# Altium PCB HMI_Board.PcbDoc (part 3 of 3)
Units mm, origin at the board's own origin, x right, y up, seen from the top; angles counter-clockwise.
Board outline 105 x 63 mm, 4 copper layers (L1, L2, L3, L4), stack 1.586 mm thick; 135 components, 123 nets, 623 pads, 296 vias.
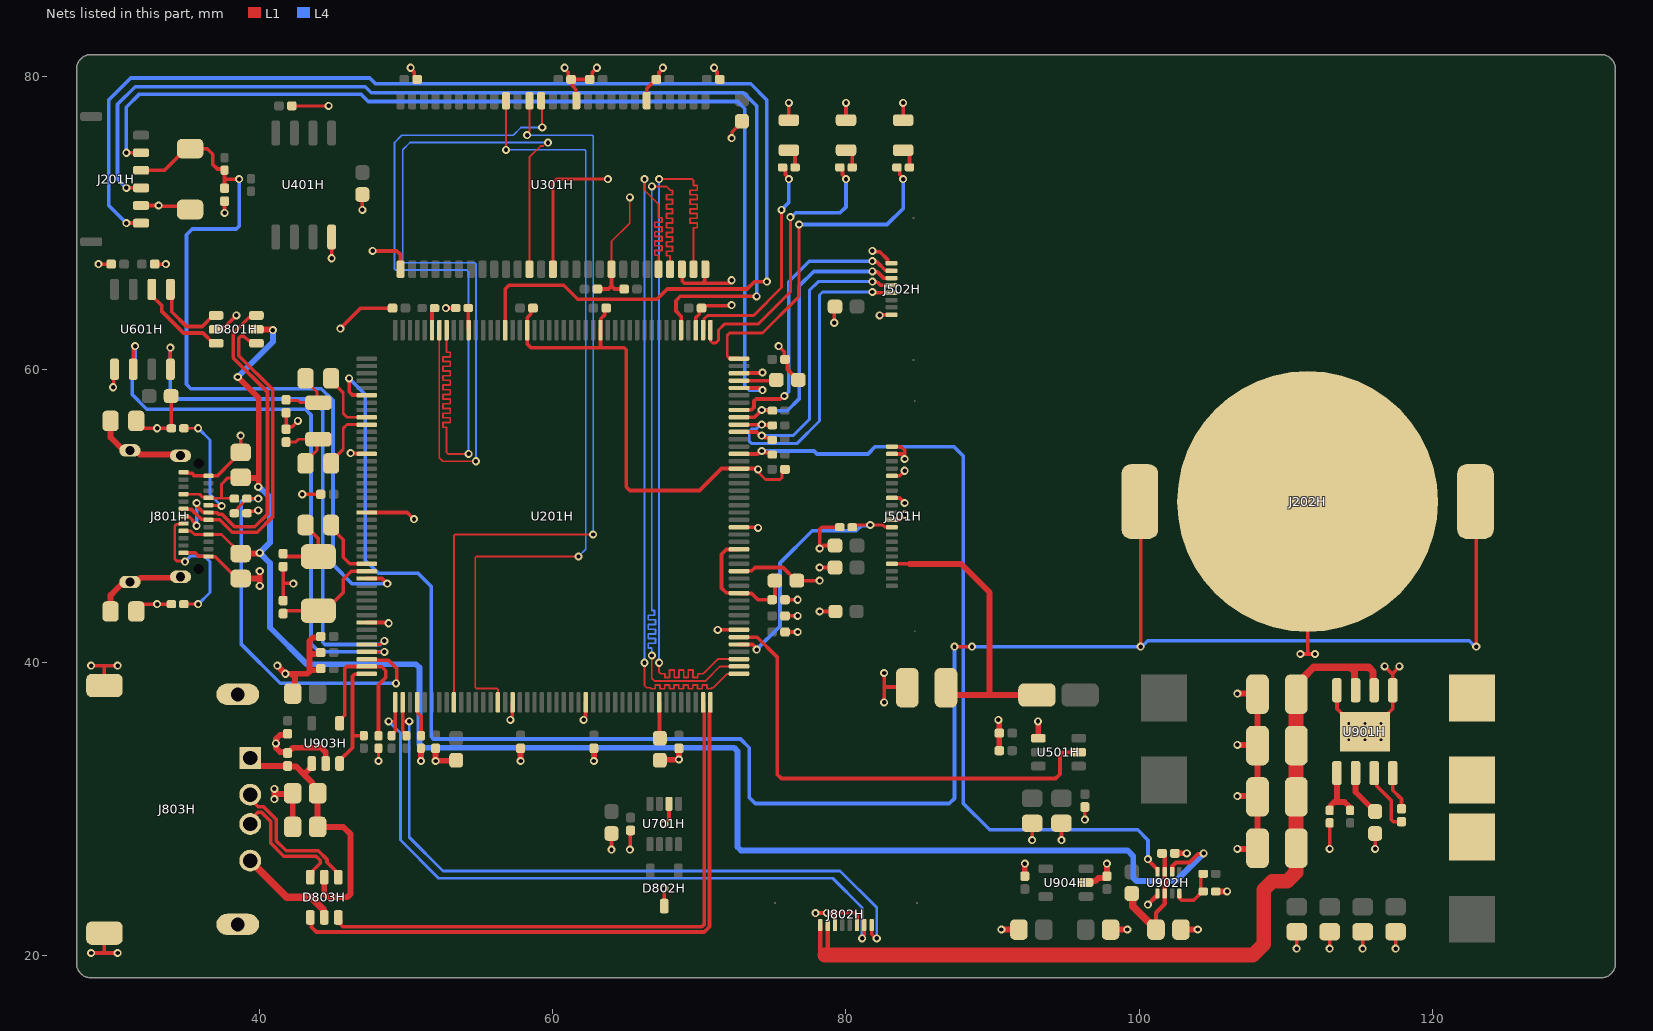
[diagram p5: the nets of this part, all layers, seen from the top]

## Via types
v1: diameter 0.55, hole 0.3, L1 to L4, tented both sides, 290 vias
v2: diameter 0.5, hole 0.2, L1 to L4, 6 vias

## Nets (pads, with @x,y where several pads share a name; then routed paths per layer and width w, separated by ;. In a path a pad name is that pad's centre, name@x,y a point inside that pad or via, vN(x,y) a via of type N, cw(c..) or ccw(c..) an arc to the next point about the centre after c; other vN are vias at no path point) (continued)
FMC_D13: U201H.89 U301H.50 | length 55.1
  L1 w0.12: v1(66.25,40) 66.25,38.45 66.4,38.3 66.41,38.3 66.671,38.3 66.671,38.235 66.991,38.235 66.991,38.485 67.311,38.485 67.311,38.235 67.631,38.235 67.631,38.485 67.951,38.485 67.951,38.235 68.271,38.235 68.271,38.485 68.591,38.485 68.591,38.235 68.911,38.235 68.911,38.485 69.231,38.485 69.231,38.235 69.551,38.235 69.551,38.485 69.871,38.485 69.871,38.235 70.191,38.235 70.191,38.485 70.511,38.485 70.511,38.235 70.831,38.235 70.831,38.3 70.891,38.3 70.95,38.3 71.89,39.24 72.69,39.24 U201H.89@72.7,39.25 ; v1(66.25,73) 66.25,72.25 67.2,71.3 67.2,70.53 67.2,70.37 67.45,70.37 67.45,70.05 66.95,70.05 66.95,69.73 67.45,69.73 67.45,69.41 66.95,69.41 66.95,69.09 67.45,69.09 67.45,68.77 66.95,68.77 66.95,68.45 67.45,68.45 67.45,68.13 66.95,68.13 66.95,67.81 67.2,67.81 67.2,67.75 U301H.50@67.2,66.85
  L4 w0.12: v1(66.25,40) 66.25,57.18 v1(66.25,73)
FMC_D14: U201H.90 U301H.51 | length 56.5
  L1 w0.12: v1(66.75,40.5) 66.75,38.95 66.95,38.75 70.4,38.75 71.4,39.75 U201H.90@72.7,39.75 ; v1(66.75,72.5) 67.75,72.5 67.945,72.305 68,72.25 68,72.245 68.17,72.245 68.17,71.925 67.75,71.925 67.75,71.605 68.17,71.605 68.17,71.285 67.75,71.285 67.75,70.965 68.17,70.965 68.17,70.645 67.75,70.645 67.75,70.325 68.17,70.325 68.17,70.005 67.75,70.005 67.75,69.685 68.17,69.685 68.17,69.365 67.75,69.365 67.75,69.045 68.17,69.045 68.17,68.725 67.75,68.725 67.75,68.405 68.17,68.405 68.17,68.085 67.75,68.085 67.75,67.765 68,67.765 68,67.7 U301H.51@68,66.85
  L4 w0.12: v1(66.75,40.5) 66.75,40.95 66.75,41.01 66.5,41.01 66.5,41.33 67,41.33 67,41.65 66.5,41.65 66.5,41.97 67,41.97 67,42.29 66.5,42.29 66.5,42.61 67,42.61 67,42.93 66.5,42.93 66.5,43.25 66.939,43.25 66.939,43.57 66.75,43.57 66.75,44 v1(66.75,72.5)
FMC_D15: U201H.91 U301H.53 | length 56
  L1 w0.12: v1(67.25,40) 67.25,39.35 67.35,39.25 67.5,39.25 67.642,39.25 67.642,39 67.962,39 67.962,39.5 68.282,39.5 68.282,39 68.602,39 68.602,39.5 68.922,39.5 68.922,39 69.242,39 69.242,39.5 69.562,39.5 69.562,39 69.882,39 69.882,39.25 69.942,39.25 70.25,39.25 71.25,40.25 U201H.91@72.7,40.25 ; v1(67.25,73) 69.5,73 69.6,72.9 69.6,72.625 69.6,72.565 69.85,72.565 69.85,72.245 69.35,72.245 69.35,71.925 69.85,71.925 69.85,71.605 69.35,71.605 69.35,71.285 69.85,71.285 69.85,70.965 69.35,70.965 69.35,70.645 69.85,70.645 69.85,70.325 69.35,70.325 69.35,70.005 69.85,70.005 69.85,69.685 69.6,69.685 69.6,69.575 U301H.53@69.6,66.85
  L4 w0.12: v1(67.25,40) 67.25,58.35 v1(67.25,73)
FMC_NBL0: U201H.169 U301H.15 | length 56.4
  L1 w0.12: U201H.169@52.75,62.7 52.75,61.25 52.75,61.19 53,61.19 53,60.87 52.5,60.87 52.5,60.55 53,60.55 53,60.23 52.5,60.23 52.5,59.91 53,59.91 53,59.59 52.5,59.59 52.5,59.27 53,59.27 53,58.95 52.5,58.95 52.5,58.63 53,58.63 53,58.31 52.5,58.31 52.5,57.99 53,57.99 53,57.67 52.5,57.67 52.5,57.35 53,57.35 53,57.03 52.5,57.03 52.5,56.71 53,56.71 53,56.39 52.5,56.39 52.5,56.07 52.75,56.07 52.75,55.75 52.75,54.35 52.85,54.25 v1(54.25,54.25) ; U301H.15@59.2,78.35 59.25,78.3 59.25,76.55 v1(59.275,76.525)
  L4 w0.12: v1(54.25,54.25) 54.25,66.65 54.1,66.8 49.27,66.8 49.2,66.87 49.2,75.5 49.7,76 57.3,76 57.825,76.525 v1(59.275,76.525)
FMC_NBL1: U201H.170 U301H.39 | length 56.9
  L1 w0.12: U201H.170@52.25,62.7 52.25,54 52.5,53.75 v1(54.75,53.75) ; U301H.39@58.4,66.85 58.4,74.5 59.161,75.261 59.326,75.261 59.55,75.485 v1(59.666,75.485)
  L4 w0.12: v1(54.75,53.75) 54.75,67.23 54.68,67.3 49.82,67.3 49.75,67.37 49.75,75 50.25,75.5 59.651,75.5 v1(59.666,75.485)
FMC_R\A\S\: U201H.59 U301H.18 | length 55.1
  L1 w0.12: U201H.59@56.25,37.3 56.25,38.18 56.18,38.25 54.77,38.25 54.7,38.32 54.7,42.75 54.7,47.18 54.77,47.25 v1(61.75,47.25) ; v1(56.8,75) U301H.18@56.8,78.35
  L4 w0.12: v1(56.8,75) 62.18,75 62.25,74.93 62.25,47.75 v1(61.75,47.25)
FMC_W\E\: U201H.53 U301H.16 | length 55
  L1 w0.12: U201H.53@53.25,37.3 53.25,38.4 53.25,48.68 53.32,48.75 v1(62.75,48.75) ; v1(58.25,76) 58.25,76.103 58.4,76.253 U301H.16@58.4,78.35
  L4 w0.12: v1(58.25,76) 62.68,76 62.75,75.93 v1(62.75,48.75)
GND: C201H.1 C202H.1 C203H.1 C204H.1 C205H.1 C206H.1 C207H.1 C208H.1 C209H.1 C210H.1 C211H.1 C212H.1 C213H.1 C214H.1 C215H.1 C216H.1 C217H.1 C218H.1 C219H.1 C220H.1 C221H.1 C222H.1 C223H.1 C224H.1 C225H.1 C226H.1 C301H.1 C302H.1 C303H.1 C304H.1 C305H.1 C306H.1 C307H.1 C308H.1 C401H.1 C402H.1 C501H.1 C502H.1 C503H.1 C504H.1 C505H.1 C506H.1 C507H.1 C508H.1 C509H.1 C601H.1 C602H.1 C603H.1 C701H.1 C702H.1 C902H.1 C903H.1 C904H.1 C905H.1 C906H.1 C907H.1 C908H.1 C909H.1 C910H.1 C911H.1 C912H.1 C913H.1 C914H.1 C915H.1 C916H.1 C917H.1 C918H.1 C919H.1 C920H.1 C921H.1 C922H.1 C923H.1 D201H.2 D202H.2 D203H.2 D801H.2 D802H.3 D803H.2 J201H.5 J202H.N J501H.10 J501H.13 J501H.16 J501H.19 J501H.20 J502H.1 J502H.8 J801H.A1 J801H.A12 J801H.B1 J801H.B12 J802H.3 J802H.6 J803H.4 J803H.S1 J803H.S2 J803H.S3 J803H.S4 R202H.2 R208H.1 R209H.1 R501H.1 R502H.1 R801H.1 R802H.1 R803H.1 R804H.1 R902H.1 R904H.1 R906H.1 S201H.2 U201H.14 U201H.22 U201H.37 U201H.61 U201H.71 U201H.95 U201H.103 U201H.109 U201H.117 U201H.130 U201H.135 U201H.148 U201H.158 U301H.6 U301H.12 U301H.28 U301H.41 U301H.46 U301H.52 U301H.54 U401H.4 U501H.4 U601H.1 U701H.2 U901H.1 U901H.4 U901H.9 U902H.1 U903H.2 U904H.2 | length 278.4
  L1 w0.12: U301H.46@64,66.85 64,68.75 65.25,70 v1(65.25,71.75)
  L1 w0.2: C401H.1@42.19,78 v1(44.7,78) ; v1(48.1,33.3) R906H.1@48.1,34.175 ; U301H.41@60,66.85 60,72.75 60.25,73 v1(63.75,73) ; v1@74,53.183 74.057,53.125 74.057,52.943 74.5,52.5 75.5,52.5 75.644,52.644 75.644,53.004 C220H.1@75.84,53.2
  L1 w0.25: v1(28.5,20.2) 29.4,20.2 ; v1(28.5,39.8) 29.4,39.8 ; v1(29,67.2) C602H.1@29.86,67.2 ; J803H.S4@29.4,21.55 29.4,20.2 ; J803H.S3@29.4,38.45 29.4,39.8 ; v1(30,58.8) 30.048,58.847 30.048,59.978 U601H.1@30.095,60.025 ; v1(30.3,20.2) 29.4,20.2 ; v1(30.3,39.8) 29.4,39.8 ; R801H.1@31.575,43.5 31.575,43.569 31.989,43.982 32.129,43.982 32.146,44 R804H.1@33.975,44 ; R802H.1@31.575,56.5 31.575,56.431 31.989,56.018 32.129,56.018 32.146,56 R803H.1@33.975,56 33.963,56.012 33.963,58.188 C603H.1@33.95,58.2 ; J201H.5@31.9,71.2 v1(33.1,71.2) 33.148,71.152 35.023,71.152 S201H.2@35.25,70.925 ; C601H.1@32.84,67.2 v1(33.6,67.2) ; J801H.B1@34.8,47.5 35.6,47.5 35.825,47.275 36.475,47.275 J801H.A12@36.5,47.25 36.518,47.232 36.968,47.232 38.083,46.117 38.333,46.117 C916H.1@38.7,45.75 ; J801H.B12@34.8,53 34.825,52.975 35.104,52.975 35.154,52.925 35.375,52.925 35.55,52.75 J801H.A1@36.5,52.75 37.1,52.75 38.233,53.883 38.233,53.888 38.695,54.35 C915H.1@38.7,54.35 v1(38.7,55.5) ; D801H.2@37.025,62.75 37.184,62.909 37.609,62.909 v1(38.4,63.7) ; v1(37.6,70.7) C205H.1@37.6,71.5 ; R208H.1@39.125,50.2 39.267,50.342 39.761,50.342 39.819,50.4 v1(39.9,50.4) ; C203H.1@41.6,44.24 41.6,45.434 ; C204H.1@41.6,46.56 41.6,45.434 ; C201H.1@41.8,57.06 C202H.1@41.8,55.94 41.97,56.11 42.21,56.11 v1(42.6,56.5) ; v1(42.3,45.4) 42.266,45.434 41.6,45.434 ; v1(42.9,51.5) C210H.1@44.16,51.5 ; v1(44.9,67.6) 44.903,67.603 44.903,69.047 U401H.4@44.905,69.05 ; v1(45.5,62.8) 46.9,64.2 C223H.1@49.06,64.2 ; v1(46.2,54.3) 46.225,54.275 47.275,54.275 U201H.14@47.3,54.25 ; v1(47,70.9) C402H.1@47,71.95 ; U201H.37@47.3,42.75 48.748,42.75 v1(48.8,42.698) ; U201H.22@47.3,50.25 50.056,50.25 50.506,49.8 v1(50.525,49.8) ; v1(47.7,68.1) 49.354,68.1 49.6,67.854 U301H.28@49.6,66.85 ; v1(50.3,80.6) 50.3,80.532 50.554,80.279 50.554,79.983 50.736,79.8 C308H.1@50.74,79.8 ; v1(52.7,64.2) R202H.2@53.375,64.2 ; v1(57.1,36.1) 57.1,36.181 57.225,36.306 57.225,37.275 U201H.61@57.25,37.3 ; C222H.1@58.64,64.2 58.48,64.04 58.48,63.78 58.25,63.55 U201H.158@58.25,62.7 58.25,61.75 58.5,61.5 63.25,61.5 ; v1(60.8,80.6) 60.8,80.532 61.054,80.279 61.054,79.983 C306H.1@61.236,79.8 ; C306H.1@61.19,79.8 C306H.1@61.194,79.8 ; U301H.12@61.6,78.35 61.563,78.387 61.563,79.137 61.335,79.365 61.335,79.659 C306H.1@61.194,79.8 ; v1(62.1,36.1) 62.1,36.181 62.225,36.306 62.225,37.275 U201H.71@62.25,37.3 ; v1(63,80.6) 62.696,80.296 62.696,79.983 62.514,79.8 C307H.1@62.51,79.8 C306H.1@61.24,79.8 C306H.1@61.236,79.8 ; C304H.1@63.04,65.5 63.8,65.5 64,65.7 ; C221H.1@63.64,64.2 63.53,64.09 63.53,63.73 63.275,63.475 63.275,62.725 U201H.148@63.25,62.7 63.25,61.5 ; v1(64,27.25) C702H.1@64,28.35 ; U301H.46@64,66.85 64,65.7 ; C303H.1@64.86,65.5 64.2,65.5 64,65.7 ; v1(65.25,27.25) 65.275,27.275 65.275,28.535 C701H.1@65.3,28.56 ; U301H.6@66.4,78.35 66.4,79.176 67.024,79.8 C305H.1@67.06,79.8 67.064,79.8 67.246,79.983 67.246,80.279 67.5,80.532 v1(67.5,80.6) ; D802H.3@67.6,23.4 v1(67.6,24.6) ; v1(67.6,29) 67.925,29.325 U701H.2@67.925,30.375 ; U301H.52@68.8,66.85 68.821,66.829 68.821,66.046 68.968,65.9 70.2,65.9 ; U201H.135@69.75,62.7 69.75,63.55 69.98,63.78 69.98,64.04 70.292,64.352 72.152,64.352 v1(72.2,64.4) ; U301H.54@70.4,66.85 70.363,66.813 70.363,66.063 70.2,65.9 ; v1(71,80.6) 71,80.532 71.204,80.329 71.204,79.983 71.386,79.8 C302H.1@71.39,79.8 ; v1(71.25,42.25) U201H.95@72.7,42.25 ; C302H.1@71.394,79.8 71.576,79.617 C302H.1@71.576,79.614 ; v1(72.2,66.1) 72,65.9 70.2,65.9 ; v1(72.2,75.8) 72.248,75.848 72.248,76.236 72.9,76.888 C301H.1@72.9,76.95 ; U201H.103@72.7,46.25 72.725,46.275 73.575,46.275 73.8,46.5 75.7,46.5 76.6,45.6 v1(78.2,45.6) ; U201H.109@72.7,49.25 73.882,49.25 73.932,49.2 v1(74,49.2) ; U201H.130@72.7,59.75 72.725,59.775 74.273,59.775 v1(74.3,59.802) ; v1(74,53.2) 73.932,53.2 73.882,53.25 U201H.117@72.7,53.25 71.5,53.25 70,51.75 65.25,51.75 65,52 65,61.354 64.854,61.5 63.25,61.5 ; v1(75.4,61.6) 75.78,61.22 75.78,60.76 C225H.1@75.84,60.7 76.01,60.53 76.01,60.015 76.725,59.3 C206H.1@76.75,59.3 ; C218H.1@75.84,42.1 v1(76.7,42.1) ; C219H.1@75.84,43.2 v1(76.7,43.2) ; C209H.1@75.84,44.3 v1(76.7,44.3) ; D203H.2@76.1,77.025 v1(76.1,78.2) ; v1(77.917,22.917) 77.926,22.926 78.691,22.926 v1(78.7,22.935) 79.25,22.935 ; v1(78.2,43.5) R501H.1@79.275,43.5 ; v1(78.2,46.5) C501H.1@79.25,46.5 ; v1(79.2,63.2) 79.2,64.25 C509H.1@79.25,64.3 ; J802H.6@79.25,22.103 79.25,22.935 ; C502H.1@79.25,48 78.481,48 78.281,47.8 v1(78.2,47.8) 78.2,49.104 78.346,49.25 R502H.1@79.575,49.25 ; D202H.2@80,77.025 v1(80,78.2) ; J802H.3@80.75,22.103 80.75,22.788 80.604,22.935 79.25,22.935 ; v1(81.8,68.1) 81.848,68.052 82.301,68.052 82.831,67.522 82.831,67.277 82.858,67.25 J502H.8@83.103,67.25 ; v1(82.3,63.7) 82.368,63.7 82.418,63.75 J502H.1@83.103,63.75 ; v1(82.6,37.3) 82.6,38.35 ; v1(82.6,39.3) 82.6,38.35 ; J501H.10@83.132,49.75 83.141,49.759 83.659,49.759 v1(84,50.1) ; J501H.13@83.132,51.25 83.141,51.241 83.659,51.241 v1(84,50.9) ; J501H.16@83.132,52.75 83.141,52.759 83.659,52.759 v1(84,53.1) ; J501H.19@83.132,54.25 83.95,54.25 84,54.2 ; J501H.20@83.132,54.75 83.141,54.741 83.759,54.741 84,54.5 84,54.2 ; D201H.2@83.9,77.025 v1(83.9,78.2) ; v1(84,53.9) 84,54.2 ; C506H.1@84.175,38.3 84.125,38.35 82.6,38.35 ; v1(92.7,27.9) C503H.1@92.7,29.05 ; v1(94.7,27.9) C504H.1@94.7,29.05 ; v1(96.3,29.3) C505H.1@96.3,30.16 ; v1(110.75,20.5) C907H.1@110.75,21.65 ; v1(111,40.6) 111.5,40.6 ; J202H.N@111.5,51 111.5,40.6 ; v1(112,40.6) 111.5,40.6 ; v1(113,20.5) C908H.1@113,21.65 ; v1(113,27.3) R902H.1@113,29.075 ; U901H.4@113.495,38.125 113.495,36.86 115.055,35.3 U901H.9@115.4,35.3 ; v1(115.25,20.5) C909H.1@115.25,21.65 ; v1(116.1,27.3) C910H.1@116.1,28.35 ; v2(116.5,35.85) 116.5,36.055 117.305,36.86 U901H.1@117.305,38.125 117.305,39.195 ; v1(116.75,39.75) 117.305,39.195 ; v1(117.5,20.5) C906H.1@117.5,21.65 ; v1(117.75,39.75) 117.75,39.721 117.305,39.276 117.305,39.195 ; C306H.1@61.194,79.8 C306H.1@61.236,79.8
  L1 w0.3: v1(100.6,23.5) 101.175,24.075 101.25,24.075 U902H.1@101.25,24.26
  L1 w0.4: C916H.1@38.7,45.75 40,45.75 ; v1(40,45.25) 40,45.75 ; v1(40,46.25) 40,45.75 ; v1(41,30.7) 41,31.05 ; v1(41,31.4) 41,31.05 ; v1(41.2,39.8) v1(41.75,39.25) 42.15,39.25 ; C921H.1@41.821,33.925 41.818,33.922 41.384,33.922 41.119,34.187 41.119,34.481 v1(41.1,34.5) 41.119,34.519 41.119,34.813 41.384,35.078 41.818,35.078 C920H.1@41.9,35.16 ; C921H.1@41.9,33.84 41.9,33.86 42.01,33.97 42.03,33.97 42.26,34.2 44.2,34.2 44.5,33.9 U903H.2@44.5,33.125 ; C923H.1@42.25,28.8 42.25,31 42.2,31.05 41,31.05 ; C919H.1@42.25,37.9 42.4,38.05 42.4,39 42.15,39.25 ; C213H.1@44.16,39.6 44.05,39.49 43.49,39.49 43.4,39.4 ; C212H.1@44.16,40.7 44.05,40.59 43.443,40.59 43.4,40.547 ; C211H.1@44.16,41.8 44.088,41.728 43.634,41.728 43.4,41.494 43.4,40.547 ; v1(51,33.3) R209H.1@51,34.175 ; C214H.1@52,34.16 v1(52,33.3) 52.019,33.319 53.369,33.319 C226H.1@53.4,33.35 ; v1(57.8,33.3) C215H.1@57.8,34.16 ; v1(62.8,33.3) C216H.1@62.8,34.16 ; C207H.1@67.3,33.35 67.331,33.381 68.581,33.381 v1(68.6,33.4) C217H.1@68.6,34.16 ; v1(90.4,36.1) 90.4,36.073 90.46,36.013 C508H.1@90.46,35.2 C507H.1@90.46,34 ; v1(90.6,21.8) C918H.1@91.8,21.8 ; C917H.1@92.2,25.44 v1(92.2,26.3) ; v1(93.1,36) 93.112,35.987 93.112,34.863 U501H.4@93.125,34.85 ; U904H.2@96.375,25 96.475,25.1 97,25.1 97.21,25.31 97.69,25.31 97.8,25.42 C913H.1@97.8,25.44 v1(97.8,26.3) ; C914H.1@98.05,21.8 v1(99.2,21.8) ; C911H.1@102.44,27 v1(103.25,27) ; C912H.1@102.85,21.8 v1(104,21.8) ; R904H.1@105.225,24.4 v1(106,24.4) ; v1(106.7,27.3) 108.025,27.3 C902H.1@108.075,27.35 C903H.1@108.075,30.85 ; v1(106.7,30.9) 108.025,30.9 C903H.1@108.075,30.85 ; v1(106.7,34.4) 108.025,34.4 C904H.1@108.075,34.35 ; v1(106.7,37.9) 108.025,37.9 C905H.1@108.075,37.85 C904H.1@108.075,34.35 ; 42.15,39.25 43.25,39.25 43.4,39.4 ; 43.4,39.4 43.4,40.547 ; C903H.1@108.075,30.85 C904H.1@108.075,34.35
  L1 w0.5: J803H.4@39.35,26.5 41.85,24 43.5,24 44.35,23.15 44.35,22.675 D803H.2@44.4,22.625
  other v1: 33,44 33,56
  other v2: 114.3,34.75 115.4,34.75 116.5,34.75 114.3,35.85 115.4,35.85
HVIN: C902H.2 C903H.2 C904H.2 C905H.2 J802H.7 J802H.8 U901H.2 U901H.3 | length 62.6
  L1 w0.3: J802H.8@78.25,22.103 78.25,20.326 78.426,20.15 78.45,20.15 ; 78.543,20.057 78.543,20.267 78.75,20.474 J802H.7@78.75,22.103
  L1 w0.5: C905H.2@110.725,37.85 110.725,38.499 111.5,39.274 111.5,39.3 111.9,39.7 114.397,39.7 ; U901H.3@114.765,38.125 114.69,38.2 114.69,39.407 114.397,39.7 ; U901H.2@116.035,38.125 115.96,38.2 115.96,39.407 115.667,39.7 114.397,39.7
  L1 w1: 78.543,20.057 107.757,20.057 108.5,20.8 108.5,24.514 109.086,25.1 110.114,25.1 110.7,25.686 C905H.2@110.7,37.85
I2C2_SCL: J802H.2 R210H.1 U201H.45 | length 47.7
  L1 w0.2: v1(48.8,36) 49.25,36
  L1 w0.25: v1(81.1,21.2) 81.1,21.268 81.25,21.418 J802H.2@81.25,22.103
  L1 w0.254: R210H.1@49,35.025 49,35.081 49.25,35.331 49.25,36 U201H.45@49.25,37.3
  L4 w0.2: v1(48.8,36) 49.6,35.2 49.6,27.9 52.2,25.3 79.1,25.3 81.1,23.3 v1(81.1,21.2)
I2C2_SDA: J802H.1 R211H.1 U201H.46 | length 47.8
  L1 w0.2: 49.75,36 v1(50.2,36)
  L1 w0.25: J802H.1@81.75,22.103 81.75,21.482 82.032,21.2 v1(82.1,21.2)
  L1 w0.254: U201H.46@49.75,37.3 49.75,36 49.75,35.331 50,35.081 R211H.1@50,35.025
  L4 w0.2: v1(50.2,36) 50.2,28.1 52.5,25.8 79.6,25.8 82.1,23.3 v1(82.1,21.2)
I2C3_SCL: J502H.4 R213H.1 U201H.123 | length 23.1
  L1 w0.25: U201H.123@72.702,56.25 v1(74.25,56.25) 74.275,56.225 74.95,56.225 R213H.1@74.975,56.2 ; v1(81.8,65.3) 81.868,65.3 81.918,65.25 J502H.4@83.103,65.25
  L4 w0.2: v1@74.182,56.25 73.868,55.936 73.546,55.936 73.4,55.789 73.4,55.117 73.542,54.975 76.675,54.975 78.2,56.5 78.2,65.1 78.4,65.3 v1(81.8,65.3)
  L4 w0.25: v1@74.182,56.25 v1(74.25,56.25)
I2C3_SDA: J502H.5 R214H.1 U201H.122 | length 21
  L1 w0.25: U201H.122@72.7,55.75 73.919,55.75 74.169,55.5 74.331,55.5 74.489,55.342 74.833,55.342 R214H.1@74.975,55.2 ; v1(81.8,66) 81.842,65.958 82.142,65.958 82.35,65.75 J502H.5@83.103,65.75
  L4 w0.2: v1(74.25,55.5) 76.4,55.5 77.5,56.6 77.5,65.4 78.1,66 v1(81.8,66)
LCD_BL_CTL: U201H.94 U501H.2 | length 33.4
  L1 w0.25: U201H.94@72.7,41.75 73.95,41.75 75.3,40.4 75.3,32.4 75.6,32.1 94.3,32.1 94.6,32.4 94.6,33.7 94.8,33.9 U501H.2@95.875,33.9
LCD_CN_BL_A: C506H.2 D501H.2 J501H.4 | length 20.9
  L1 w0.25: J501H.4@83.109,46.727 J501H.4@83.132,46.75 84.35,46.75
  L1 w0.4: 84.35,46.75 87.85,46.75 89.8,44.8 89.8,37.8 ; C506H.2@86.825,38.3 87.325,37.8 89.8,37.8 ; D501H.2@93.025,37.8 89.8,37.8
LCD_RESET: J501H.9 R502H.2 U201H.93 | length 18
  L1 w0.2: R502H.2@80.425,49.25 80.575,49.4 82.5,49.4 82.626,49.274 83.108,49.274 J501H.9@83.132,49.25
  L1 w0.25: U201H.93@72.7,41.25 73.638,41.25 73.852,41.036 73.852,40.948 v1(73.9,40.9)
  L4 w0.25: v1(73.9,40.9) 75.5,42.5 75.5,46.8 77.7,49 80.7,49 81.052,49.352 81.606,49.352 v1(81.654,49.4)
LED_1: R215H.2 U201H.132 | length 23.8
  L1 w0.2: U201H.132@72.049,60.773 71.9,60.922 71.9,62.351 72.049,62.5 74.3,62.5 76.6,64.8 76.8,65 v1(76.8,69.9)
  L1 w0.254: U201H.132@72.049,60.773 72.677,60.773 U201H.132@72.7,60.75 ; R215H.2@83.475,73.8 83.519,73.8 83.667,73.653 83.667,73.3 83.9,73.067 v1(83.9,73)
  L4 w0.254: v1(76.8,69.9) 82.8,69.9 83.9,71 v1(83.9,73)
LED_1_A: D201H.1 R215H.1 | length 1.4
  L1 w0.254: D201H.1@83.9,74.975 84.058,74.975 84.325,74.708 R215H.1@84.325,73.8
LED_2: R216H.2 U201H.133 | length 20.2
  L1 w0.2: U201H.133@70.75,62.7 70.75,61.958 70.899,61.809 71.109,61.809 71.3,62 71.3,62.7 71.7,63.1 74,63.1 76.2,65.3 v1(76.2,70.4)
  L1 w0.254: R216H.2@79.575,73.8 79.619,73.8 79.767,73.653 79.767,73.3 80,73.067 v1(80,73)
  L4 w0.254: v1(76.2,70.4) 76.267,70.4 76.567,70.7 79.6,70.7 80,71.1 v1(80,73)
LED_2_A: D202H.1 R216H.1 | length 1.4
  L1 w0.254: D202H.1@80,74.975 80.158,74.975 80.425,74.708 R216H.1@80.425,73.8
LED_3: R217H.2 U201H.134 | length 15.6
  L1 w0.2: U201H.134@70.25,62.7 70.3,62.75 70.3,63.457 70.543,63.7 73.7,63.7 75.6,65.6 v1(75.6,70.9)
  L1 w0.254: R217H.2@75.675,73.8 75.719,73.8 75.867,73.653 75.867,73.3 76.1,73.067 v1(76.1,73)
  L4 w0.254: v1(75.6,70.9) 76.1,71.4 v1(76.1,73)
LED_3_A: D203H.1 R217H.1 | length 1.4
  L1 w0.254: D203H.1@76.1,74.975 76.258,74.975 76.525,74.708 R217H.1@76.525,73.8
MCU_BOOT0: R202H.1 U201H.166 | length 1.6
  L1 w0.25: R202H.1@54.225,64.4 R202H.1@54.237,64.388 ; R202H.1@54.237,64.288 54.237,62.712 U201H.166@54.25,62.7
MCU_BYPASS_REG: R209H.2 U201H.48 | length 2.4
  L1 w0.254: U201H.48@50.75,37.3 50.773,37.277 50.773,36.651 50.823,36.601 50.823,36.529 51,36.352 R209H.2@51,35.025
MCU_HSE_2: C204H.2 R204H.2 X202H.2 | length 5
  L1 w0.25: C204H.2@41.6,47.44 41.6,47.436 41.786,47.25 X202H.2@44,47.25 44,48.475 43.557,48.918 43.539,48.918 43.125,49.331 R204H.2@43.125,49.4
MCU_HSE_IN: R204H.1 U201H.29 | length 4.3
  L1 w0.25: R204H.1@44.875,49.4 44.875,49.225 45.7,48.4 45.7,47.2 46.15,46.75 U201H.29@47.3,46.75
MCU_HSE_OUT: C203H.2 U201H.30 X202H.1 | length 7.4
  L1 w0.25: C203H.2@41.6,43.36 41.6,43.364 41.786,43.55 44.45,43.55 45.7,44.8 45.7,45.7 46.25,46.25 U201H.30@47.3,46.25
MCU_LSE_1: C202H.2 R205H.1 X201H.1 | length 4.3
  L1 w0.2: C202H.2@41.8,55.06 42.46,55.06 42.65,55.25 X201H.1@44,55.25 43.9,55.15 43.9,54.5 43.125,53.725 R205H.1@43.125,53.6
MCU_LSE_2: C201H.2 R203H.1 X201H.2 | length 4.3
  L1 w0.2: C201H.2@41.8,57.94 41.84,57.9 42.6,57.9 42.75,57.75 X201H.2@44,57.75 43.9,57.85 43.9,58.475 43.125,59.25 R203H.1@43.125,59.4
MCU_LSE_IN: R203H.2 U201H.9 | length 4.4
  L1 w0.2: R203H.2@44.875,59.4 44.875,59.25 45.7,58.425 45.7,57 45.95,56.75 U201H.9@47.3,56.75
MCU_LSE_OUT: R205H.2 U201H.10 | length 4.4
  L1 w0.2: R205H.2@44.875,53.6 44.875,53.75 45.7,54.575 45.7,56 45.95,56.25 U201H.10@47.3,56.25
MCU_PDR_ON: R201H.1 U201H.171 | length 1.7
  L1 w0.25: U201H.171@51.75,62.7 51.75,64.151 51.899,64.3 R201H.1@51.925,64.3
MCU_VCAP1: C207H.2 U201H.81 | length 2.5
  L1 w0.254: U201H.81@67.25,37.3 67.273,37.277 67.273,34.877 C207H.2@67.3,34.85
MCU_VCAP2: C206H.2 U201H.129 | length 2.6
  L1 w0.254: U201H.129@72.7,59.25 75.2,59.25 C206H.2@75.25,59.3
NRST: C205H.2 J201H.3 R206H.1 S201H.1 U201H.31 | length 54.2
  L1 w0.254: J201H.3@31.9,73.6 33.5,73.6 34.975,75.075 36.425,75.075 36.8,74.7 36.8,74 37.117,73.683 37.532,73.683 R206H.1@37.6,73.615 37.6,72.997 ; C205H.2@37.6,72.38 37.6,72.997 ; v1(38.6,73) 38.597,72.997 37.6,72.997 ; U201H.31@47.3,45.75 48.35,45.75 v1(48.7,45.4)
  L4 w0.25: v1(38.6,73) 38.6,69.8 38.4,69.6 35.4,69.6 35,69.2 35,59 35.3,58.7 44.2,58.7 45,57.9 45,46.7 46.3,45.4 v1(48.7,45.4)
PS_BOOT: C901H.1 U901H.7 | length 4.4
  L1 w0.25: U901H.7@116.035,32.475 116.212,32.298 116.212,31.588 117.2,30.6 117.2,29.306 117.346,29.16 C901H.1@117.9,29.16
PS_FB: R901H.1 R902H.2 U901H.5 | length 4.2
  L1 w0.4: R902H.2@113,29.925 113.075,30 113.075,30.266 113.309,30.5 113.663,30.5 ; U901H.5@113.495,32.475 113.495,30.668 113.663,30.5 ; R901H.1@114.4,29.925 114.325,30 114.325,30.191 114.016,30.5 113.663,30.5
PS_L_L: L901H.2 L902H.1
PS_SW: C901H.2 L901H.1 U901H.8 | length 2.7
  L1 w0.25: U901H.8@117.305,32.475 117.305,31.295 117.9,30.7 C901H.2@117.9,30.04
PS_VCC: C910H.2 U901H.6 | length 3.2
  L1 w0.4: U901H.6@114.765,32.475 114.765,31.185 115.823,30.127 115.828,30.127 116.1,29.855 C910H.2@116.1,29.85
PSWITCH_PR1: R903H.1 R904H.2 U902H.4 | length 3.6
  L1 w0.25: U902H.4@102.75,24.26 102.75,23.946 102.896,23.8 103.725,23.8 104.325,24.4 R904H.2@104.375,24.4 104.349,24.4 104.2,24.549 104.2,25.451 104.349,25.6 R903H.1@104.375,25.6
PSWITCH_VOUT: C911H.2 C912H.2 FB901H.1 U902H.2 U902H.7 | length 8.7
  L1 w0.3: C912H.2@101.15,21.8 101.15,22.95 101.75,23.55 U902H.2@101.75,24.26 U902H.7@101.75,25.74 101.75,26.827 101.577,27 C911H.2@101.56,27
  L1 w0.5: FB901H.1@99.527,24.233 99.554,24.206 99.554,23.396 100.731,22.219 100.804,22.219 101.15,21.873 C912H.2@101.15,21.8
PWR_SRC_SENSE: R212H.1 U201H.119 U902H.8 | length 56.5
  L1 w0.25: U201H.119@72.7,54.25 73.969,54.25 74.169,54.45 74.331,54.45 74.439,54.342 74.833,54.342 R212H.1@74.975,54.2
  L1 w0.3: v1(100.6,26.6) 100.6,26.546 101.221,25.925 101.25,25.925 U902H.8@101.25,25.75
  L4 w0.25: v1(74.25,54.45) 77.816,54.45 78.016,54.25 81.5,54.25 82,54.75 87.354,54.75 88,54.104 88,30.4 89.8,28.6 99.9,28.6 100.6,27.9 v1(100.6,26.6)
SWCLK: J201H.4 U201H.137 | length 72.4
  L1 w0.25: v1(30.9,72.4) J201H.4@31.9,72.4 ; U201H.137@68.75,62.7 68.75,63.65 68.4,64 68.4,64.7 68.7,65 v1(73.9,65)
  L4 w0.25: v1(30.9,72.4) 30.3,73 30.3,78.1 31.5,79.3 47.2,79.3 47.6,78.9 73,78.9 73.9,78 v1(73.9,65)
SWDIO: J201H.2 U201H.128 | length 69
  L1 w0.25: v1(30.9,74.8) J201H.2@31.9,74.8 ; U201H.128@72.7,58.75 74.069,58.75 74.219,58.6 v1(74.3,58.6)
  L4 w0.25: v1(30.9,74.8) 30.9,77.9 31.8,78.8 46.9,78.8 47.4,78.3 72.6,78.3 73.1,77.8 73.1,58.9 73.4,58.6 v1(74.3,58.6)
SWO: J201H.6 U201H.161 | length 90.1
  L1 w0.25: v1(30.9,70) J201H.6@31.9,70 ; U201H.161@56.75,62.7 56.75,65.5 57,65.75 60.75,65.75 61.7,64.8 67.1,64.8 67.8,65.5 73.25,65.5 73.75,66 v1(74.6,66)
  L4 w0.25: v1(30.9,70) 29.7,71.2 29.7,78.4 31.2,79.9 47.5,79.9 47.9,79.5 73.5,79.5 74.6,78.4 v1(74.6,66)
TS_I\N\T\: J502H.6 R503H.1 U201H.124 | length 20
  L1 w0.25: U201H.124@72.7,56.75 73.75,56.75 v1(74.25,57.25) 74.275,57.225 74.95,57.225 R503H.1@74.975,57.2 ; v1(81.8,66.7) 81.842,66.658 82.142,66.658 82.554,66.246 83.088,66.246 J502H.6@83.093,66.24
  L4 w0.25: v1(74.25,57.25) 75.134,57.25 75.184,57.2 76,57.2 76.8,58 76.8,65.7 77.8,66.7 v1(81.8,66.7)
TS_R\E\S\E\T\: J502H.7 U201H.125 | length 19.5
  L1 w0.25: U201H.125@72.7,57.25 72.725,57.275 73.575,57.275 73.725,57.425 73.725,57.854 73.871,58 75.519,58 75.719,58.2 v1(75.8,58.2) ; v1(81.8,67.4) 81.857,67.343 82.108,67.343 82.673,66.777 83.076,66.777 J502H.7@83.103,66.75
  L4 w0.25: v1(75.8,58.2) 76.1,58.5 76.1,66 77.5,67.4 v1(81.8,67.4)
UART4_RX: U201H.41 U601H.2 | length 39.8
  L1 w0.2: U201H.41@47.3,40.75 v1(48.5,40.75)
  L1 w0.25: U601H.2@31.365,60.025 31.365,61.384 31.5,61.519 v1(31.5,61.6)
  L4 w0.25: v1(31.5,61.6) 31.5,60.009 31.3,59.809 31.3,58.3 32.3,57.3 43.1,57.3 43.5,56.9 43.5,41.3 44.05,40.75 v1(48.5,40.75)
UART4_TX: U201H.40 U601H.4 | length 37
  L1 w0.2: U201H.40@47.3,41.25 48.244,41.25 48.494,41.5 v1(48.5,41.5)
  L1 w0.25: v1(33.9,61.5) 33.9,60.03 U601H.4@33.905,60.025
  L4 w0.25: v1(33.9,61.5) 33.9,58.3 34.2,58 43.5,58 44.3,57.2 44.3,41.396 44.446,41.25 48.229,41.25 48.479,41.5 v1(48.5,41.5)
UART_USB_D_N: D801H.3 U601H.6 | length 6.4
  L1 w0.243: U601H.6@32.635,65.475 32.635,65.05 33.3,64.385 33.3,64 34.8,62.5 36.125,62.5 36.825,61.8 D801H.3@37.025,61.8
UART_USB_D_P: D801H.1 U601H.5 | length 5.3
  L1 w0.243: U601H.5@33.905,65.475 34,65.38 34,63.942 34.999,62.943 36.068,62.943 36.825,63.7 D801H.1@37.025,63.7
USB_HS_D_N: D803H.3 U201H.87 | length 40.6
  L1 w0.243: D803H.3@45.35,22.625 45.511,22.464 45.511,22.16 45.671,22 57.44,22 70.172,22 70.315,22.142 70.315,36.628 70.278,36.665 70.278,37.272 U201H.87@70.25,37.3
USB_HS_D_P: D803H.1 U201H.88 | length 43.5
  L1 w0.243: D803H.1@43.45,22.625 43.533,22.542 43.533,21.967 43.87,21.63 45.518,21.63 57.594,21.63 70.326,21.63 70.685,21.989 70.685,36.628 70.722,36.665 70.722,37.272 U201H.88@70.75,37.3
USBD_3.3V_VBUS_SENSE: R207H.1 R208H.2 U201H.42 | length 28.1
  L1 w0.2: R208H.2@38.275,50.2 38.305,50.2 38.477,50.372 38.477,50.484 38.485,50.492 38.485,50.537 38.85,50.902 38.85,50.955 39.095,51.2 v1(39.9,51.2)
  L1 w0.25: U201H.42@47.3,40.25 47.325,40.225 47.954,40.225 48.004,40.175 48.779,40.175 48.864,40.09 49.343,39.611 49.343,38.643 v1(49.3,38.6)
  L4 w0.25: v1(39.9,51.2) 38.95,51.2 38.75,51 38.75,41.25 41.4,38.6 v1(49.3,38.6)
USBD_CN_CC1: J801H.A5 R803H.2 | length 7.9
  L1 w0.2: R803H.2@34.825,56 v1(35.8,56) ; J801H.A5@36.5,50.75 36.525,50.725 37.375,50.725 v1(37.4,50.7)
  L4 w0.2: v1(35.8,56) 36.6,55.2 36.6,51.5 v1(37.4,50.7)
USBD_CN_CC2: J801H.B5 R804H.2 | length 9.9
  L1 w0.2: J801H.B5@34.8,49.5 34.75,49.45 34.317,49.45 34.2,49.333 34.2,47.075 34.317,46.957 34.843,46.957 v1(34.9,46.9) ; R804H.2@34.825,44 v1(35.8,44)
  L4 w0.2: v1(34.9,46.9) 35.3,47.3 36.2,47.3 36.6,46.9 36.6,44.8 v1(35.8,44)
USBD_CN_SH1: J801H.SH1 J801H.SH3 R802H.2 | length 6.4
  L1 w0.4: R802H.2@29.825,56.5 29.825,55.375 30.341,54.859 30.349,54.859 30.718,54.49 J801H.SH1@31.14,54.49 31.562,54.49 31.852,54.2 34.52,54.2 J801H.SH3@34.59,54.13
USBD_CN_SH2: J801H.SH2 J801H.SH4 R801H.2 | length 6.4
  L1 w0.4: R801H.2@29.825,43.5 29.825,44.617 30.172,44.964 30.718,45.51 31.562,45.51 31.852,45.8 34.52,45.8 J801H.SH4@34.59,45.87
USBD_D_N: D801H.4 J801H.A7 J801H.B7 | length 21.8
  L1 w0.243: J801H.B7@34.8,50.5 34.828,50.472 35.192,50.472 35.203,50.461 35.348,50.461 35.911,49.897 35.923,49.897 36.042,49.778 36.272,49.778 36.3,49.75 37.28,49.75 38.13,48.9 39.823,48.9 40.9,49.977 40.9,58.623 38.57,60.953 38.57,61.253 38.567,61.256 38.567,62.147 38.71,62.289 38.911,62.289 39.239,61.961 39.614,61.961 D801H.4@39.775,61.8
USBD_D_P: D801H.6 J801H.A6 J801H.B6 | length 24.2
  L1 w0.243: J801H.B6@34.8,50 34.828,49.972 35.113,49.972 35.163,49.922 35.219,49.922 35.422,49.719 35.422,49.647 35.697,49.371 v1(35.697,49.351) ; v1(35.7,50.9) 35.759,50.841 35.759,50.647 36.086,50.319 36.098,50.319 36.139,50.278 36.472,50.278 36.528,50.222 37.105,50.222 37.207,50.12 37.433,50.12 38.283,49.27 39.67,49.27 40.53,50.13 40.53,58.47 38.2,60.8 38.2,61.1 38.197,61.103 38.197,62.497 39.239,63.539 39.614,63.539 D801H.6@39.775,63.7
  L4 w0.243: v1(35.697,49.351) 35.699,49.352 v1(35.7,50.9) v1(35.7,50.9)
USBD_VBUS: C915H.2 C916H.2 D801H.5 J801H.A4 J801H.A9 J801H.B4 J801H.B9 R207H.2 U902H.6 | length 119.4
  L1 w0.2: J801H.B4@34.8,49 35.3,49 35.55,48.75 J801H.A9@36.5,48.75 37.4,48.75 C916H.2@38.7,47.45 ; J801H.B9@34.8,51.5 35.9,51.5 36.1,51.3 36.45,51.3 36.525,51.225 37.387,51.225 ; R207H.2@38.275,51.2 38.25,51.225 37.387,51.225 ; C915H.2@38.7,52.65 38.667,52.617 37.817,52.617 37.387,52.187 37.387,51.225
  L1 w0.3: U902H.6@102.25,25.74 102.25,26.105 102.52,26.375 103.438,26.375 104.015,26.952 104.352,26.952 v1(104.4,27)
  L1 w0.4: v1(38.5,59.5) 39.929,58.071 39.929,52.029 v1(39.9,52) ; C916H.2@38.7,47.45 39.923,47.45 39.973,47.5 v1(40,47.5) ; C915H.2@38.7,52.65 38.734,52.616 39.908,52.616 ; D801H.5@39.775,62.75 40.823,62.75 40.873,62.7 v1(40.9,62.7)
  L4 w0.4: v1(38.5,59.5) 40.9,61.9 v1(40.9,62.7) ; v1(39.9,52) 39.941,52 40.116,51.825 40.159,51.825 40.7,51.284 40.7,48.3 40.692,48.292 40.692,48.192 v1(40,47.5) 40.7,46.8 40.7,42.4 43.2,39.9 50.666,39.9 50.9,39.666 50.9,34.434 51.134,34.2 72.366,34.2 72.6,33.966 72.6,27.434 72.834,27.2 99.2,27.2 99.6,26.8 99.6,25.334 99.834,25.1 102.5,25.1 v1(104.4,27)
USBH_D_N: D803H.4 J803H.2 | length 9.6
  L1 w0.243: J803H.2@39.35,31 39.35,30.737 39.902,30.185 40.256,30.185 41.114,29.327 41.114,27.856 41.8,27.17 43.994,27.17 44.59,26.575 44.59,26.391 45.189,25.792 45.189,25.536 D803H.4@45.35,25.375
USBH_D_P: D803H.6 J803H.3 | length 8.9
  L1 w0.243: J803H.3@39.35,29 39.35,29.263 39.902,29.815 40.103,29.815 40.744,29.174 40.744,27.703 41.647,26.8 43.841,26.8 44.12,26.521 44.12,26.32 43.611,25.811 43.611,25.536 D803H.6@43.45,25.375
USBH_V\B\U\S\_\F\A\U\L\T\: R905H.1 U201H.44 U903H.3 | length 8.1
  L1 w0.25: U903H.3@45.45,33.125 45.45,33.325 46.325,34.2 46.325,35.025 ; R905H.1@47.1,35.025 46.325,35.025 ; U201H.44@47.3,39.25 47.275,39.225 46.471,39.225 46.325,39.079 46.325,35.025
USBH_VBUS: C921H.2 C922H.2 C923H.2 D803H.5 J803H.1 U903H.1 | length 18.9
  L1 w0.4: J803H.1@39.35,33.5 39.89,32.96 C921H.2@41.9,32.96 41.929,32.931 42.469,32.931 43.04,32.36 ; U903H.1@43.65,33.025 U903H.1@43.55,33.125 43.55,32.925 43.04,32.415 43.04,32.36 ; D803H.5@44.4,25.375 44.4,24.234 44.634,24 45.966,24 46.2,24.234 46.2,28.3 45.7,28.8 C923H.2@43.95,28.8 C922H.2@43.95,31.1 43.612,31.438 43.612,31.788 43.04,32.36
USBH_VBUS_EN: R906H.2 U201H.43 U903H.4 | length 11.5
  L1 w0.25: U903H.4@45.45,35.875 45.45,36.075 45.8,36.425 45.8,39.604 45.946,39.75 U201H.43@47.3,39.75 47.325,39.725 48.329,39.725 48.6,39.454 48.6,39 48.1,38.5 R906H.2@48.1,35.025
VBAT: J202H.P1 J202H.P2 U201H.6 | length 136.4
  L1 w0.25: v1(46.1,59.4) 46.1,58.5 46.325,58.275 47.275,58.275 U201H.6@47.3,58.25 ; v1(87.4,41.1) v1(88.6,41.1) ; J202H.P2@100.05,51 100.1,50.95 v1(100.1,41.1) ; J202H.P1@122.95,51 123,50.95 v1(123,41.1)
  L4 w0.25: v1(46.1,59.4) 47.2,58.3 47.2,47 48.1,46.1 50.8,46.1 51.7,45.2 51.7,34.946 51.846,34.8 72.8,34.8 73.4,34.2 73.4,30.8 73.8,30.4 87.054,30.4 87.4,30.746 v1(87.4,41.1) ; v1(88.6,41.1) 100.181,41.1 100.581,41.5 122.519,41.5 122.919,41.1 v1(123,41.1)
VDD_12_DSI: C208H.2 C209H.2 U201H.100 U201H.106 | length 8.8
  L1 w0.254: U201H.106@72.7,47.75 72.677,47.727 71.827,47.727 71.5,47.4 71.5,45.1 71.827,44.773 72.677,44.773 72.723,44.727 73.573,44.727 74,44.3 C209H.2@74.96,44.3 74.965,44.3 75.146,44.481 75.146,44.486 75.15,44.49 C208H.2@75.15,45.6
pads on no net: J201H.MP1 J201H.MP2 J501H.1 J501H.3 J501H.5 J501H.P1 J501H.P2 J502H.2 J502H.P1 J502H.P2 J801H. J801H.A2 J801H.A3 J801H.A8 J801H.A10 J801H.A11 J801H.B2 J801H.B3 J801H.B8 J801H.B10 J801H.B11 J802H.P1 J802H.P2 U201H.1 U201H.2 U201H.3 U201H.4 U201H.5 U201H.7 U201H.8 U201H.11 U201H.12 U201H.13 U201H.32 U201H.33 U201H.34 U201H.35 U201H.47 U201H.50 U201H.51 U201H.52 U201H.56 U201H.57 U201H.58 U201H.79 U201H.83 U201H.84 U201H.92 U201H.110 U201H.111 U201H.114 U201H.115 U201H.120 U201H.121 U201H.126 U201H.127 U201H.138 U201H.139 U201H.140 U201H.141 U201H.144 U201H.145 U201H.146 U201H.147 U201H.150 U201H.151 U201H.152 U201H.153 U201H.154 U201H.155 U201H.156 U201H.157 U201H.162 U201H.163 U201H.165 U201H.167 U201H.168 U201H.173 U201H.174 U201H.175 U201H.176 U301H.36 U301H.40 U701H.5 U701H.8 U904H.4

## Polygon pours and split planes (outlines as drawn)
BL_DRIVER_SW on L1 "NONET_L01_P-001" (solid, pour order 2): 94.7,38.6 103.3,38.6 103.3,36 96.4,36 96.4,34.6 96.3,34.7 94.7,34.7
PS_SW on L1 "PS_SW_L01_P000" (solid, pour order 0): 126.4,39.2 119,39.2 119,33.3 117,33.3 117,31.6 120,31.6 120,36 126.3,36 126.4,35.9
5V on L1 "NONET_L01_P-001" (solid, pour order 4): 100.1,30.4 101.3,30.4 101.3,33.3 95.4,33.3 95.4,32.6 98.1,32.6
PS_L_L on L1 "PS_L_L_L01_P001" (solid, pour order 1): 121.1,33.6 124.3,33.6 124.3,26.5 121.1,26.5
GND on L2 "NONET_L01_P-001" (solid, pour order 5): 27.5,18.5 27.5,81.5 132.5,81.5 132.5,18.5
GND on L3 "NONET_L01_P-001" (solid, pour order 6): 27.5,18.5 27.5,81.5 132.5,81.5 132.5,18.5

## Silkscreen, mask and mechanical layers (free items; w line width, h text height)
Top Overlay:
  drawing of 60 lines, arcs and shapes, not listed
Board Outline:
  lines w0.01: 27.5,19.402 27.5,19.5 27.5,22.6 36.5,22.6 36.5,37.4 27.5,37.4 27.5,80.5 27.5,80.598 27.538,80.792 27.614,80.974 27.723,81.137 27.863,81.277 28.026,81.386 28.208,81.462 28.402,81.5 131.598,81.5 131.792,81.462 131.974,81.386 132.137,81.277 132.277,81.137 132.386,80.974 132.462,80.792 132.5,80.598 132.5,80.5 132.5,19.5 132.5,19.402 132.462,19.208 132.386,19.026 132.277,18.863 132.137,18.723 131.974,18.614 131.792,18.538 131.598,18.5 28.402,18.5 28.208,18.538 28.026,18.614 27.863,18.723 27.723,18.863 27.614,19.026 27.538,19.208 27.5,19.402 ; 91,42.5 95,42.5 95,57.5 91,57.5 91,42.5 ; 91,61 95,61 95,70 91,70 91,61 ; 104,61 119,61 119,76 104,76 104,61

## Text inside footprints (layer, text, board x,y; h text height)
J801H: Mechanical 13 "PCB Edge" at 28.875,44.55 h0.81 r270
J803H: Mechanical 13 "PCB Edge" at 27.197,20.348 h1.27 r270